# Altium PCB LimeSDR-Micro_M.2_2280_1v2.PcbDoc (part 5 of 9) (continued)
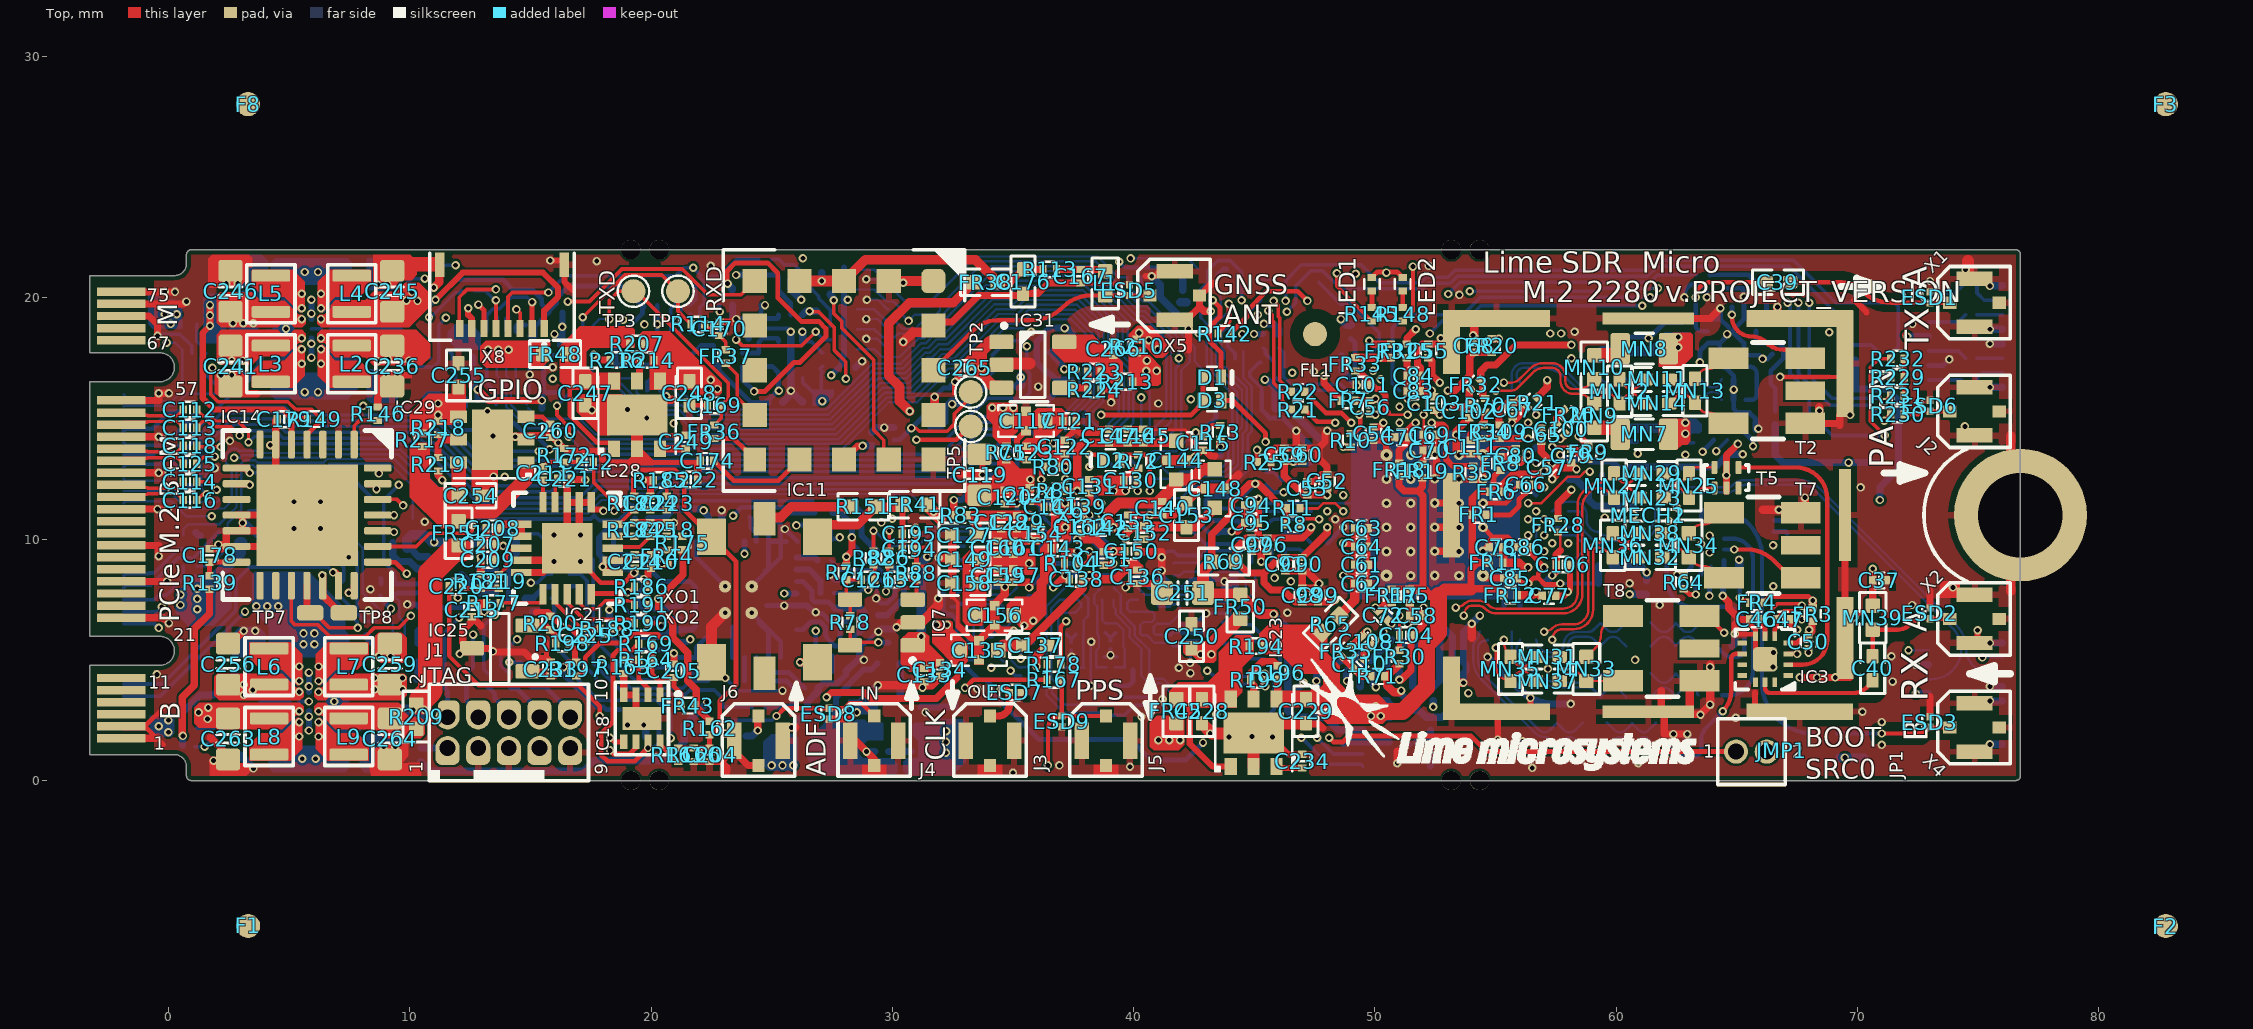
[diagram p0: Top view]
## Nets (pads, with @x,y where several pads share a name; then routed paths per layer and width w, separated by ;. In a path a pad name is that pad's centre, name@x,y a point inside that pad or via, vN(x,y) a via of type N, cw(c..) or ccw(c..) an arc to the next point about the centre after c; other vN are vias at no path point) (continued)
  Bottom w0.2: IC8.12@14.4,18.6 14.4,18.825 14.45,18.875 v2(14.8,18.875)
LA_SPI_MOSI_LS: IC6.R9 IC8.1 R127.2 R136.1 | length 33.4
  Bottom w0.1: IC8.1@14.4,17.1 14.4,16.033 R127.2@14.85,15.583 ; R127.2@14.92,15.425 15.345,15 17.041,15 17.691,14.35 27.681,14.35 29.606,16.275 30.78,16.275 31.63,17.125 31.804,17.125 32.154,17.475 32.529,17.475 34.389,19.335 35.176,19.335 35.367,19.525 35.372,19.525 35.562,19.715 37.658,19.715 38.75,18.623 38.75,17.2 39.066,16.884 R136.1@39.066,16.605 39.041,16.605 38.941,16.505 38.941,16.48 38.741,16.28 38.741,15.716 38.25,15.225 38.25,14.917 IC6.R9@38.667,14.5
LA_SPI_SCLK: IC8.10 R20.2 R188.2 | length 61.9
  Top w0.3: R188.2@18.45,6.3 R188.2@18.45,6.325 ; R188.2@18.5,6.275 18.6,6.275 v1(18.75,6.125)
  L6 w0.1: v2(13.6,19.2) 13.925,18.875 14.34,18.875 15.075,18.14 15.075,17.41 13.59,15.925 13.375,15.925 12.7,15.25 12.7,14.74 12.435,14.475 11.825,14.475 11.575,14.225 10.975,14.225 9.15,12.4 9.15,11.409 8.975,11.234 8.975,9.715 9.19,9.5 10.324,9.5 11.675,8.149 11.675,6.6 11.85,6.425 12.792,6.425 12.867,6.35 13.825,6.35 13.925,6.45 15.915,6.45 16.165,6.7 16.792,6.7 17.192,6.3 18.575,6.3 v1(18.75,6.125) ; 15.075,18.15 16.265,18.15 16.678,17.737 17.012,17.737 17.325,18.05 19.2,18.05 19.463,17.787 22.988,17.787 23.35,17.425 28.287,17.425 28.637,17.775 29.158,17.775 29.45,18.067 29.45,18.617 30.3,19.467 30.408,19.575 30.833,19.575 31.42,20.162 31.908,20.162 32.645,19.425 35.45,19.425 36.193,18.682 36.193,18.382 36.775,17.8 37.55,17.8 38.628,18.878 40.714,18.878 41.667,17.925 42.85,17.925 43.425,18.5 43.642,18.5 43.967,18.825 44.667,18.825 v1(44.987,18.505)
  Bottom w0.2: IC8.10@13.6,18.6 v2(13.6,19.2)
  Bottom w0.25: v1(44.987,18.505) R20.2@45.366,18.505
LA_SPI_SCLK_LS: IC6.P8 IC8.3 | length 34.2
  Bottom w0.1: IC8.3@13.6,17.05 13.6,16.8 14,16.4 14,15.485 14.885,14.6 16.875,14.6 17.525,13.95 27.847,13.95 29.772,15.875 30.946,15.875 31.796,16.725 31.97,16.725 32.32,17.075 32.695,17.075 34.555,18.935 35.342,18.935 35.533,19.125 35.538,19.125 35.728,19.315 37.492,19.315 38.341,18.466 38.341,17.158 38.341,15.881 37.691,15.231 37.691,14.476 IC6.P8@38.167,14
LA_TCK: IC6.N10 R89.2 R92.1 | length 49.8
  L6 w0.1: v2(12.265,15.525) 11.975,15.235 11.975,14.925 11.475,14.425 10.892,14.425 8.95,12.483 8.95,11.492 8.775,11.317 8.775,9.633 9.108,9.3 10.241,9.3 11.475,8.066 11.475,6.517 11.767,6.225 12.45,6.225 v1(12.625,6.05) 14.19,6.05 14.315,6.175 15.108,6.175 15.333,5.95 16.617,5.95 16.767,6.1 18.315,6.1 19.465,4.95 21.917,4.95 22.192,5.225 27.733,5.225 29.258,6.75 29.742,6.75 29.892,6.9 30.516,6.9 31.375,7.759 31.375,7.767 32.083,8.475 33.017,8.475 33.675,9.133 33.675,12.133 34.4,12.858 34.4,13.425 34.6,13.625 34.6,13.875 35.021,14.296 35.539,14.296 35.742,14.5 37.633,14.5 38.108,14.025 38.642,14.025 v2(39.167,13.5)
  Bottom w0.15: R92.1@12.35,4.43 12.625,4.705 v1(12.625,6.05)
  Bottom w0.3: v2(12.265,15.525) 12.27,15.53 R89.2@12.27,15.8
LA_TDI: IC6.M10 R94.1 | length 34.2
  L6 w0.1: v1(14.45,5.85) 15.15,5.85 15.25,5.75 16.7,5.75 16.85,5.9 18.233,5.9 19.383,4.75 22,4.75 22.225,4.975 25.617,4.975 26.017,4.575 26.33,4.575 26.78,5.025 27.815,5.025 29.34,6.55 29.825,6.55 29.975,6.7 30.599,6.7 31.575,7.676 31.575,7.685 32.165,8.275 33.1,8.275 33.875,9.05 33.875,12.05 34.6,12.775 34.6,13.325 34.842,13.567 34.842,13.817 35.121,14.096 35.621,14.096 35.825,14.3 37.55,14.3 38.025,13.825 38.342,13.825 v2(38.667,13.5)
  Bottom w0.15: R94.1@14.15,4.43 14.1,4.43 13.775,4.755 13.775,5.18 v1@14.447,5.853 ; v2(38.667,13.5) IC6.M10@39.167,13
LA_TDO: IC6.N12 R93.1 | length 37.5
  L6 w0.1: v1(13.525,6.875) 14.6,6.875 15.075,7.35 16.775,7.35 17.425,6.7 19.025,6.7 19.925,5.8 21.167,5.8 21.442,5.525 21.926,5.525 22.026,5.625 27.55,5.625 29.075,7.15 29.576,7.15 29.726,7.3 30.35,7.3 30.975,7.925 30.975,7.933 31.917,8.875 32.851,8.875 33.275,9.299 33.275,10.683 33.125,10.833 33.125,12.8 33.216,12.891 33.216,12.892 33.523,13.2 33.525,13.2 33.675,13.35 33.675,14.075 34.3,14.7 35.341,14.7 35.541,14.9 37.799,14.9 38.274,14.425 39.242,14.425 v2(40.167,13.5)
  Bottom w0.15: R93.1@13.25,4.43 13.075,4.605 13.075,6.425 v1(13.525,6.875)
LA_TMS: IC6.M12 R91.1 | length 38.8
  L6 w0.1: v1(12.05,6.75) 12.75,6.75 12.95,6.55 13.742,6.55 13.842,6.65 15.833,6.65 16.083,6.9 16.875,6.9 17.275,6.5 18.942,6.5 19.842,5.6 21.085,5.6 21.36,5.325 21.844,5.325 22.009,5.325 22.109,5.425 27.633,5.425 29.158,6.95 29.659,6.95 29.809,7.1 30.433,7.1 31.175,7.842 31.175,7.85 32,8.675 32.934,8.675 33.475,9.216 33.475,10.766 33.325,10.916 33.325,12.717 33.416,12.808 33.416,12.81 33.606,13 33.608,13 33.875,13.267 33.875,13.992 34.383,14.5 35.424,14.5 35.624,14.7 37.716,14.7 38.191,14.225 38.901,14.225 39.626,13.5 v2(39.667,13.5)
  Bottom w0.15: R91.1@11.45,4.43 11.45,6.15 v1(12.05,6.75) ; v2(39.667,13.5) IC6.M12@40.167,13
LA_TRST: C115.1 D2.C IC6.N8 R73.2 | length 6.6
  Top w0.2: v1(38.167,13.5) 38.575,13.5 38.675,13.4 D2.C@38.675,13.275 ; v1(42.575,14.425) 42.975,14.425 43.265,14.715 R73.2@43.596,14.715
  L4 w0.15: v1(38.167,13.5) 41.65,13.5 v1(42.575,14.425)
LA_TRX1: IC8.9 R59.2 X8.2 | length 54.1
  Top w0.2: X8.2@15.075,18.725 15.075,19.775 v1@15.125,19.825
  L3 w0.1: v1(15.075,19.825) 15.525,19.375 16.89,19.375 17.19,19.675 20.792,19.675 21.542,20.425 22.525,20.425 23.375,21.275 23.917,21.275 24.092,21.1 30.475,21.1 31.05,20.525 47.7,20.525 47.8,20.425 49.225,20.425 49.488,20.162 v1(53.037,20.162)
  Bottom w0.15: IC8.9@13.2,18.6 13.2,19.295 13.455,19.55 13.72,19.55 14.195,20.025 14.875,20.025 v1(15.075,19.825) ; v1(53.037,20.162) 53.525,20.65 61.407,20.65 61.712,20.955 R59.2@63.32,20.955
LA_TX_I_N: C2.1 C3.1 IC6.B7 R4.1 R5.2 | length 4
  Bottom w0.1: C2.1@37.581,4.7 37.606,4.675 R5.2@37.941,4.675 ; IC6.B7@37.667,8 38.116,7.551 38.116,6.825 37.931,6.64 R4.1@37.931,6.05 37.916,6.035 37.916,4.7 R5.2@37.941,4.675 ; R5.2@37.956,4.675 R5.2@37.941,4.675
LA_TX_I_P: C1.2 C2.2 IC6.A7 R1.2 R2.1 | length 4
  Bottom w0.1: C2.2@37.251,4.7 37.226,4.675 R1.2@36.876,4.675 36.901,4.7 R2.1@36.901,6.05 36.875,6.076 36.875,6.775 37.05,6.95 37.575,6.95 37.825,7.2 37.825,7.342 IC6.A7@37.667,7.5
LA_TX_Q_N: C5.1 C6.1 IC6.B9 R18.1 R19.2 | length 4
  Bottom w0.1: IC6.B9@38.667,8 38.367,7.7 38.367,7.349 38.501,7.215 R18.1@38.501,6.125 38.501,6.075 38.526,6.05 38.526,5.985 38.566,5.945 38.566,5.525 38.451,5.41 C6.1@38.451,5.125 38.451,4.7 38.476,4.675 R19.2@38.501,4.675 38.526,4.7 C5.1@38.876,4.7
LA_TX_Q_P: C4.2 C5.2 IC6.A9 R14.2 R16.1 | length 3.9
  Bottom w0.1: IC6.A9@38.667,7.5 38.701,7.466 38.701,6.64 38.816,6.525 39.291,6.525 39.581,6.235 R16.1@39.581,6.125 39.581,5.535 39.631,5.485 C4.2@39.631,5.125 39.631,4.7 39.606,4.675 R14.2@39.581,4.675 39.556,4.7 C5.2@39.206,4.7
LMK_CLKOUT1: ESD7.1 IC16.3 J3.1 | length 25.3
  Top w0.3: J3.1@34.05,2.675 34.388,2.675 ccw(c34.388,3.137) 34.85,3.137 ESD7.1@34.85,3.65 34.845,3.65 34.705,3.79 34.51,3.79 v1(34.5,3.8)
  L6 w0.1: v2(21.105,4.18) 21.996,4.18 22.391,4.575 25.452,4.575 25.877,4.15 26.471,4.15 26.946,4.625 32.75,4.625 33.175,4.2 34.1,4.2 v1(34.5,3.8)
  Bottom w0.15: v2(21.105,4.18) 19.32,4.18 17.9,5.6 17.9,7.195 18.13,7.425 18.625,7.425 19.3,6.75 IC16.3@21.225,6.75
LMK_CLKOUT7: IC16.20 IC17.3 R158.1 | length 4.9
  L6 w0.1: v1(25.525,7.75) 27.85,10.075 v1@27.875,10.075
  Bottom w0.15: IC17.3@27.45,10.512 IC17.3@27.525,10.587
  Bottom w0.2: R158.1@27.45,9.942 R158.1@27.45,9.967 ; IC17.3@27.45,10.512 R158.1@27.45,9.967 ; v1@27.776,10.017 27.5,10.017 R158.1@27.45,9.967 ; v1@27.834,10.075 v1@27.875,10.075
  Bottom w0.25: v1(25.525,7.75) IC16.20@26.025,7.75
  other v1: 27.825,10.075
LMS_ADCIN_I1_N: IC1.U5 R34.2 | length 40.2
  L3 w0.1: v1@35.325,5.075 v1(35.325,5.05) 35.325,4.575 36.525,3.375 40.575,3.375 41.6,2.35 49.375,2.35 49.65,2.075 52.575,2.075 53.875,3.375 v1(53.875,3.625)
  L4 w0.1: v1(53.875,3.625) 54.275,4.025 55.025,4.025 56.591,5.591 56.591,6.206 56.96,6.575 58.2,6.575 60.575,8.95 60.575,9.25 61.841,10.516 61.841,10.91 62.248,11.317 62.492,11.317 v1(62.5,11.325)
  L6 w0.1: v1(56.678,11.162) 58.137,11.162 58.95,11.975 61.274,11.975 61.924,11.325 v1(62.5,11.325)
  Bottom w0.15: v1(35.325,5.05) R34.2@35.325,5.41
LMS_ADCIN_I1_P: IC1.V4 R28.2 | length 39.8
  L3 w0.1: v1(34.9,4.55) 34.9,5.085 35.19,5.375 35.495,5.375 35.65,5.22 35.65,4.533 36.583,3.6 40.75,3.6 41.075,3.925 42.35,3.925 42.675,4.25 42.675,4.635 42.915,4.875 43.45,4.875 43.7,5.125 43.7,5.65 43.9,5.85 44.825,5.85 45.025,5.65 45.025,5.3 44.7,4.975 44.7,3.575 44.9,3.375 48.65,3.375 49.362,4.088 49.362,4.613 49.55,4.8 51.925,4.8 52.35,5.225 52.35,5.925 52.1,6.175 52.1,6.65 52.35,6.9 52.35,7.658 52.875,8.183 52.875,8.758 53.242,9.125 55.467,9.125 55.85,9.508 55.85,9.75 55.375,10.225 55.375,11 55.775,11.4 55.775,11.9 55.375,12.3 55.375,12.625 55.925,13.175 56.204,13.175 56.675,12.704 56.675,12.45 56.4,12.175 56.4,11.9 57.003,11.297 57.003,10.837 v1(57.011,10.829)
  Bottom w0.15: v1(34.9,4.55) 35.115,4.335 R28.2@35.325,4.335
LMS_ADCIN_I2_N: IC1.V6 R49.2 | length 31
  L3 w0.1: v1(43.05,4.55) 43.05,4.541 42.875,4.366 42.875,4 43.075,3.8 43.475,3.8 43.9,4.225 44.167,4.225 44.441,3.951 44.441,3.741 44.2,3.5 44.2,3.258 44.658,2.8 44.975,2.8 45.35,3.175 45.65,3.175 46.025,2.8 46.325,2.8 46.675,3.15 47.05,3.15 47.4,2.8 47.763,2.8 48.012,3.05 48.238,3.05 48.488,2.8 48.85,2.8 49,2.95 49,3.35 49.15,3.5 50.375,3.5 50.525,3.35 50.525,3.025 50.7,2.85 51.008,2.85 51.333,2.85 51.583,2.6 52.5,2.6 52.9,3 52.9,3.275 52.7,3.475 51.775,3.475 51.45,3.8 51.45,4.325 51.675,4.55 52,4.55 52.625,5.175 53.033,5.175 53.433,4.775 53.742,4.775 53.975,5.008 53.975,5.492 53.717,5.75 53.117,5.75 52.867,5.75 52.575,6.042 52.575,7.6 53.075,8.1 53.075,8.675 53.325,8.925 55.425,8.925 55.55,8.925 56.15,9.525 56.15,9.825 55.95,10.025 55.95,10.256 55.725,10.481 55.725,10.925 55.9,11.1 56.074,11.1 v1(56.345,10.829)
  Bottom w0.15: v1(43.05,4.55) 43.095,4.55 43.282,4.362 43.282,4.36 R49.2@43.315,4.36
LMS_ADCIN_I2_P: IC1.AA1 R44.2 | length 31.3
  L3 w0.1: v1(43.425,2.75) 43.225,2.55 41.775,2.55 41.575,2.75 41.575,3.3 41.875,3.6 42.3,3.6 42.525,3.375 42.925,3.375 43.15,3.6 43.575,3.6 44.6,2.575 49.433,2.575 49.733,2.275 50.325,2.275 50.7,2.65 51.25,2.65 51.5,2.4 52.583,2.4 53.1,2.917 53.1,3.358 52.783,3.675 51.858,3.675 51.65,3.883 51.65,4.242 51.758,4.35 52.083,4.35 52.708,4.975 52.95,4.975 53.35,4.575 53.825,4.575 54.175,4.925 54.175,5.575 53.8,5.95 52.95,5.95 52.775,6.125 52.775,7.517 53.348,8.09 54.646,8.09 54.88,8.324 54.88,8.33 55.275,8.725 55.65,8.725 56.081,9.156 57.336,9.156 v1(58.01,9.83)
  Bottom w0.15: R44.2@43.315,3.15 43.425,3.04 v1(43.425,2.75)
LMS_ADCIN_Q1_N: IC1.W3 R42.2 | length 40.6
  L6 w0.1: v2(39.475,2.295) 39.475,2.525 39.15,2.85 35,2.85 34.675,2.525 34.675,2.025 35.05,1.65 40.1,1.65 40.745,2.295 42.145,2.295 43.125,3.275 43.783,3.275 44.108,2.95 45.617,2.95 45.992,3.325 46.267,3.6 48.358,3.6 48.633,3.325 49.833,2.125 53.784,2.125 55.684,4.025 57.042,4.025 58.675,5.658 58.675,6.608 58.675,6.858 59.3,7.483 59.3,9.025 59.125,9.2 58.791,9.2 58.663,9.072 58.663,8.888 v2(58.625,8.85)
  Bottom w0.1: IC1.W3@57.352,10.504 IC1.W3@57.344,10.496 58.232,10.496 58.825,9.903 58.825,9.05 v2(58.625,8.85)
LMS_ADCIN_Q1_P: IC1.Y2 R37.2 | length 40.7
  L6 w0.1: v2(39.475,3.05) 39.003,3.05 34.917,3.05 34.475,2.608 34.475,1.942 34.967,1.45 35.25,1.45 40.183,1.45 40.828,2.095 42.228,2.095 43.208,3.075 43.7,3.075 44.025,2.75 45.7,2.75 46.35,3.4 48.275,3.4 49.75,1.925 53.867,1.925 55.767,3.825 57.125,3.825 58.875,5.575 58.875,6.775 59.5,7.4 59.5,9.108 59.208,9.4 58.709,9.4 58.572,9.263 58.388,9.263 v2(58.35,9.225)
  Bottom w0.1: IC1.Y2@57.75,10.193 cw(c57.677,10.266) IC1.Y2@57.677,10.163 58.282,10.163 58.625,9.82 58.625,9.5 v2(58.35,9.225)
LMS_ADCIN_Q2_N: IC1.Y4 R58.2 | length 33.2
  L6 w0.1: v2(45.475,2.325) 45.675,2.125 46.3,2.125 46.875,2.7 48.374,2.7 49.574,1.5 54.133,1.5 55.533,2.9 57.158,2.9 59.55,5.292 59.55,5.375 59.55,6.467 60.2,7.117 60.2,8.917 61.4,10.117 61.4,11.233 61.058,11.575 59.317,11.575 58.246,10.504 57.352,10.504 v1(57.011,10.163)
  Bottom w0.15: R58.2@43.701,5.345 43.733,5.345 43.733,5.313 43.996,5.05 45.4,5.05 45.816,4.634 45.816,2.941 45.475,2.6 v2(45.475,2.325)
LMS_ADCIN_Q2_P: IC1.AA3 R51.2 | length 32.6
  L6 w0.1: v2(46.066,2.45) 46.516,2.9 48.457,2.9 49.657,1.7 54.05,1.7 55.45,3.1 57.075,3.1 59.35,5.375 59.35,6.55 60,7.2 60,9 61.2,10.2 61.2,11.15 60.975,11.375 59.4,11.375 58.329,10.304 57.504,10.304 57.344,10.144 v1(57.344,9.83)
  Bottom w0.15: R51.2@43.676,6.555 43.954,6.555 44.059,6.45 44.9,6.45 46.066,5.284 v2(46.066,2.45)
LMS_CORE_LDO_EN: IC1.U33 R13.1 R15.2 | length 3.9
  Bottom w0.15: R15.2@43.491,11.275 44.361,11.275 44.366,11.27 44.474,11.162 46.859,11.162 46.876,11.179 47.337,11.179 IC1.U33@47.354,11.162
LMS_I2C_SCL: IC1.C27 IC2.6 R26.2 R54.1 | length 65.2
  L4 w0.1: v1(45.841,8.4) 45.849,8.4 46.024,8.575 46.65,8.575 47.025,8.2 47.025,4.6 46.72,4.295 46.72,2.655 v1(47.6,1.775)
  L6 w0.1: v2(8.825,8.15) 8.812,8.137 8.812,7.903 8.51,7.6 8.39,7.6 7.975,7.185 7.975,6.7 8.525,6.15 8.975,6.15 11.5,3.625 16.766,3.625 17.3,3.091 17.3,2.508 17.683,2.125 18.41,2.125 18.56,1.975 19.886,1.975 19.995,2.085 22.465,2.085 23.125,1.425 26.35,1.425 27.225,2.3 31.858,2.3 32.008,2.45 32.392,2.45 33.842,1 42.814,1 42.989,0.825 46.46,0.825 47.375,1.74 47.565,1.74 v1(47.6,1.775) ; v1(45.841,8.4) 45.841,10.325 47.191,11.675 47.191,12.15 48.016,12.975 48.016,13.875 48.678,14.537 48.678,15.15 v2(49.352,15.824)
  Bottom w0.15: v1(47.6,1.775) 48.275,1.1 IC2.6@49.5,1.1
  Bottom w0.2: R26.2@8.795,8.375 8.81,8.36 8.81,8.165 v2(8.825,8.15)
LMS_I2C_SDA: IC1.D26 IC2.5 R30.2 R53.1 | length 62.7
  L4 w0.1: v1(46.516,8.25) 46.825,7.941 46.825,4.683 46.52,4.378 46.52,2.215 v1(46.955,1.78)
  L6 w0.1: v1(9.225,7.125) 9.85,6.5 9.85,6.275 12,4.125 16.858,4.125 16.983,4.25 17.86,4.25 18.05,4.06 18.05,3.425 17.55,2.925 17.55,2.54 17.765,2.325 18.59,2.325 18.89,2.625 19.992,2.625 20.333,2.285 23.69,2.285 24.35,1.625 26.267,1.625 27.142,2.5 31.775,2.5 31.925,2.65 32.475,2.65 33.925,1.2 42.896,1.2 43.071,1.025 46.2,1.025 v1(46.955,1.78) ; v1(46.516,8.25) 46.516,10.317 47.691,11.492 47.691,11.958 49.685,13.953 v2(49.685,15.491)
  Bottom w0.15: v1(46.955,1.78) 48.06,0.675 49.425,0.675 IC2.5@49.5,0.6
  Bottom w0.2: R30.2@8.795,7.65 8.795,7.555 v1(9.225,7.125)
LMS_MCLK1: IC1.AB34 R7.1 R84.1 | length 1.5
  Bottom w0.15: R7.1@46.166,9.74 46.166,9.691 46.28,9.577 ; R84.1@46.28,9.025 46.28,9.577 ; IC1.AB34@47.021,9.497 46.967,9.497 46.887,9.577 46.28,9.577
LMS_RESET: IC1.E27 IC14.17 R10.1 | length 57.4
  Top w0.15: IC14.17@5.1,8.075 5.1,6.6 5.25,6.45 6.2,6.45 6.675,5.975 8.175,5.975 8.525,6.325 9.55,6.325 v1(10.05,6.825)
  Top w0.2: R10.1@48.991,14.38 49.041,14.43 49.171,14.43 49.394,14.653 v1@49.394,15.01
  L6 w0.1: v1(10.05,6.825) 10.05,6.358 12.083,4.325 16.775,4.325 16.925,4.475 18.125,4.475 19.425,3.175 20.067,3.175 20.551,2.691 24.268,2.691 25.135,1.825 26.184,1.825 27.059,2.7 27.5,2.7 28.05,3.25 35.4,3.25 36.875,4.725 39.025,4.725 39.8,5.5 40.441,5.5 41.716,6.775 42.39,6.775 43.465,7.85 44.741,7.85 44.966,8.075 45.975,8.075 46.191,8.29 46.191,10.275 47.491,11.575 47.491,12.041 49.352,13.903 v1(49.352,15.158)
LMS_RX1_BB_I_N: IC1.AB2 R27.2 R31.1 R34.1 | length 44.1
  L4 w0.1: v1(57.716,18.525) 57.716,17.383 58.091,17.008 58.091,15.085 58.766,14.41 58.766,13.839 57.966,13.039 57.966,12.366 57.816,12.216 57.816,11.884 58.8,10.9 v1(59.525,10.9)
  L6 w0.1: v2(36.066,5.75) 36.304,5.75 36.779,6.225 37.3,6.225 37.45,6.375 40.15,6.375 42.95,9.175 42.95,9.916 43.1,10.066 43.1,11.975 44.45,13.325 44.45,14.267 45.458,15.275 45.742,15.275 46.925,16.458 46.925,17.225 48.175,18.475 48.416,18.475 48.486,18.545 ; 48.486,18.546 49.29,19.35 50.48,19.35 51.85,17.98 54.105,17.98 54.466,18.34 54.466,18.575 54.741,18.85 57.416,18.85 v1@57.716,18.55 ; v2(57.677,9.497) 57.685,9.505 58.145,9.505 59.525,10.885 v1(59.525,10.9)
  Bottom w0.1: R27.2@34.921,5.5 35.161,5.74 R34.1@35.325,5.74 35.357,5.74 35.407,5.69 R31.1@35.856,5.69
LMS_RX1_BB_I_P: IC1.Y6 R28.1 R31.2 R33.2 | length 44.1
  L4 w0.1: v1(56.345,10.163) 56.02,10.488 56.02,11.63 56.216,11.825 57.142,11.825 57.741,12.424 57.741,13.097 58.066,13.422 58.066,14.799 57.891,14.974 57.891,16.925 56.916,17.9 56.916,18.175 v1(57.266,18.525)
  L6 w0.1: v2(36.066,5.275) 36.112,5.275 36.862,6.025 37.383,6.025 37.533,6.175 40.233,6.175 43.15,9.092 43.15,9.833 43.3,9.983 43.3,11.892 44.65,13.242 44.65,14.184 45.541,15.075 45.825,15.075 47.125,16.375 47.125,17.142 48.258,18.275 48.499,18.275 48.686,18.462 ; 48.686,18.463 49.373,19.15 50.397,19.15 51.767,17.78 54.371,17.78 54.666,18.075 54.666,18.492 54.824,18.65 55.403,18.65 55.603,18.45 55.603,18.013 55.716,17.9 56.216,17.9 56.361,18.046 56.361,18.45 56.561,18.65 57.141,18.65 v1(57.266,18.525)
  Bottom w0.1: R33.2@34.94,4.969 35.22,4.69 35.3,4.69 R28.1@35.325,4.665 35.35,4.69 35.565,4.69 35.65,4.775 35.65,5.154 R31.2@35.856,5.36 35.881,5.335 35.938,5.335 35.998,5.275 v2(36.066,5.275)
LMS_RX1_BB_Q_N: IC1.AA5 R36.2 R39.1 R42.1 | length 43.9
  L6 w0.1: v2(40.691,3.025) 40.325,3.391 40.325,3.942 41.033,4.65 41.408,4.65 41.775,4.283 41.775,2.958 41.933,2.8 42.067,2.8 42.3,3.033 42.3,3.708 42.3,3.942 42.558,4.2 43.442,4.2 43.7,4.458 43.7,4.5 43.7,5.958 44.467,6.725 44.716,6.725 45.45,6.725 46.275,5.9 46.65,5.9 46.775,6.025 46.775,6.783 47.057,7.065 47.893,7.065 48.15,6.808 48.15,5.775 48.3,5.625 48.975,5.625 49.125,5.775 49.125,6.483 49.4,6.758 49.4,6.992 48.85,7.542 48.7,7.692 48.7,8.008 49.367,8.675 49.708,8.675 50.983,7.4 51.283,7.4 51.9,6.783 51.9,6.25 52.1,6.05 52.4,6.05 52.575,6.225 52.575,6.492 52.375,6.692 52.375,7.725 52.275,7.825 51.225,7.825 50.93,8.12 50.93,8.795 50.8,8.925 50.217,8.925 49.925,9.217 49.925,9.783 50.272,10.13 51.651,10.13 52.096,9.685 52.096,9.313 52.329,9.08 52.588,9.08 52.911,9.403 52.911,9.76 53.256,10.105 53.776,10.105 54.096,9.785 54.096,9.305 54.306,9.095 54.596,9.095 54.886,9.385 54.886,9.71 55.266,10.09 55.266,10.617 55.449,10.8 55.871,10.8 56.175,10.496 v1(56.678,10.496)
  Bottom w0.11: IC1.AA5@56.678,9.83 v1(56.678,10.496)
  Bottom w0.15: R36.2@39.055,2.7 R42.1@39.475,2.7 39.625,2.7 40.05,3.125 R39.1@40.441,3.125 40.591,3.125 v2(40.691,3.025)
LMS_RX1_BB_Q_P: IC1.AB4 R37.1 R39.2 R41.2 | length 43.8
  L6 w0.1: v2(40.691,3.555) 40.525,3.721 40.525,3.859 41.116,4.45 41.325,4.45 41.575,4.2 41.575,3.29 41.225,2.94 41.225,2.675 41.405,2.495 42.045,2.495 42.225,2.675 42.5,2.95 42.5,3.859 42.641,4 43.525,4 43.9,4.375 43.9,4.583 43.9,5.875 44.55,6.525 45.367,6.525 45.617,6.275 46.192,5.7 46.733,5.7 46.975,5.942 46.975,6.25 46.975,6.7 47.14,6.865 47.81,6.865 47.95,6.725 47.95,5.692 48.217,5.425 49.058,5.425 49.325,5.692 49.325,6.4 49.6,6.675 49.6,7.075 48.9,7.775 48.9,7.925 49.45,8.475 49.625,8.475 50.9,7.2 51.2,7.2 51.7,6.7 51.7,6.167 52.017,5.85 52.483,5.85 52.775,6.142 52.775,6.575 52.575,6.775 52.575,7.608 52.575,7.808 52.358,8.025 52.158,8.025 51.308,8.025 51.13,8.203 51.13,8.878 50.883,9.125 50.3,9.125 50.125,9.3 50.125,9.7 50.355,9.93 51.561,9.93 51.891,9.6 51.891,9.235 52.251,8.875 52.775,8.875 53.116,9.216 53.116,9.675 53.341,9.9 53.691,9.9 53.891,9.7 53.891,9.22 54.221,8.89 54.681,8.89 55.091,9.3 55.091,9.625 55.466,10 55.466,10.491 55.575,10.6 55.788,10.6 56.02,10.368 56.02,10.028 56.211,9.838 56.67,9.838 v1(57.011,9.497)
  Bottom w0.15: R41.2@39.055,3.25 39.26,3.455 R39.2@40.441,3.455 40.591,3.455 v2(40.691,3.555)
LMS_RX2_BB_I_N: IC1.AC3 R43.2 R46.1 R49.1 | length 26.1
  L6 w0.1: v2(44.916,4.425) 44.766,4.275 44.183,4.275 43.916,4.008 43.916,3.509 44.275,3.15 45.45,3.15 46.8,4.5 51.158,4.5 51.616,4.042 51.616,2.825 52.066,2.375 53.508,2.375 56.266,5.133 56.266,6.392 57.124,7.25 58.166,7.25 58.516,7.6 58.516,8.45 58.002,8.963 58.002,8.966 57.812,9.156 57.81,9.156 57.802,9.164 v2(57.344,9.164)
  Bottom w0.15: R43.2@42.815,4.03 R49.1@43.315,4.03 43.755,4.03 44.05,4.325 R46.1@44.416,4.325 44.816,4.325 v2(44.916,4.425)
LMS_RX2_BB_I_P: IC1.AD2 R44.1 R46.2 R48.2 | length 25.9
  L6 w0.1: v2(44.916,3.895) 44.736,4.075 44.266,4.075 44.116,3.925 44.116,3.592 44.358,3.35 45.367,3.35 46.216,4.199 46.216,4.525 46.391,4.7 51.791,4.7 51.941,4.55 51.941,4.075 51.816,3.95 51.816,3.625 51.941,3.5 51.941,3.275 51.816,3.15 51.816,2.908 52.149,2.575 53.425,2.575 56.066,5.216 56.066,6.475 57.003,7.413 57.003,7.888 57.116,8 57.341,8 57.891,7.45 58.083,7.45 58.316,7.683 58.316,8.367 58.118,8.565 57.943,8.565 v2(57.677,8.831)
  Bottom w0.15: R48.2@42.815,3.48 R44.1@43.315,3.48 43.58,3.48 44.095,3.995 R46.2@44.416,3.995 44.816,3.995 v2(44.916,3.895)
LMS_RX2_BB_Q_N: IC1.AB6 R50.2 R55.1 R58.1 | length 25.8
  L6 w0.1: v2(44.591,5.76) 44.591,5.966 44.7,6.075 45.45,6.075 45.816,5.709 45.816,5.316 45.983,5.15 46.55,5.15 47.075,5.675 47.283,5.675 47.633,5.675 48.133,5.175 51.492,5.175 51.942,5.625 52.658,5.625 52.708,5.575 53.458,4.825 53.725,4.825 54.125,5.225 54.125,5.517 52.83,6.812 52.823,6.819 52.823,8.348 52.93,8.455 52.93,8.718 53.252,9.04 53.788,9.04 54.08,8.748 54.08,8.324 54.355,8.05 54.774,8.05 55.041,7.783 55.041,6.875 55.216,6.7 55.691,6.7 55.966,6.975 55.966,7.75 55.091,8.625 55.091,8.983 55.605,9.497 v2(56.345,9.497)
  Bottom w0.15: R50.2@43.281,5.675 R58.1@43.701,5.675 43.931,5.675 44.041,5.785 R55.1@44.316,5.785 v2@44.591,5.785
LMS_RX2_BB_Q_P: IC1.AC5 R51.1 R55.2 R57.2 | length 25.9
  L6 w0.1: v2(45.091,5.75) 45.475,5.75 45.6,5.625 45.6,5.25 45.9,4.95 46.4,4.95 46.633,4.95 47.158,5.475 47.55,5.475 48.05,4.975 51.575,4.975 52.025,5.425 52.575,5.425 52.925,5.075 53.375,4.625 53.808,4.625 54.325,5.142 54.325,5.6 53.825,6.1 53.023,6.902 53.023,8.265 53.13,8.372 53.13,8.635 53.335,8.84 53.625,8.84 53.88,8.585 53.88,8.241 54.272,7.85 54.691,7.85 54.841,7.7 54.841,6.792 55.133,6.5 55.774,6.5 56.166,6.892 56.166,7.833 55.291,8.708 55.291,8.9 55.555,9.164 v2(56.678,9.164)
  Bottom w0.15: R57.2@43.281,6.225 R51.1@43.676,6.225 43.931,6.225 44.041,6.115 R55.2@44.316,6.115 44.731,6.115 45.091,5.755 v2(45.091,5.75)
LMS_RXEN: IC1.V34 R12.1 | length 1.5
  Bottom w0.15: R12.1@45.621,10.675 45.621,10.7 45.696,10.775 45.73,10.775 45.784,10.829 IC1.V34@47.021,10.829
LMS_RxPLL_CLK: C197.2 IC1.AM24 R154.2 | length 25.6
  L3 w0.1: v1(29,7.9) 29,7.45 ccw(c29.225,7.45) 29.225,7.225 29.935,7.225 ccw(c29.935,9.615) 31.625,7.925 cw(c32.772,6.778) 32.772,8.4 36.529,8.4 cw(c36.529,7.729) 37.004,8.204 ccw(c37.495,8.695) 37.495,8 38.798,8 cw(c38.798,7.573) 39.1,7.875 ccw(c39.643,8.418) 39.643,7.65 41.004,7.65 ccw(c41.004,10.357) 42.918,8.443 43.131,8.656 cw(c44.927,6.86) 44.927,9.4 46.048,9.4 cw(c46.048,6.86) 47.844,8.656 48.4,8.1 50.32,6.18 ccw(c50.351,6.211) v1(50.351,6.167)
  Bottom w0.15: R154.2@27.58,7.775 27.585,7.77 C197.2@28.25,7.77 28.595,7.77 28.725,7.9 v1(29,7.9)
LMS_TSTAO: IC1.B22 R230.1 | length 29.6
  Top w0.18: v1(71.11,14.91) R230.1@71.375,15.175
  L6 w0.1: v1(61.4,20.025) 62.3,19.125 62.783,19.125 64.033,17.875 65.467,17.875 65.992,18.4 66.467,18.4 67.55,19.483 v1(67.55,19.8)
  Bottom w0.15: IC1.B22@51.017,16.157 50.725,16.449 50.725,18.75 51.275,19.3 53.65,19.3 54.375,20.025 v1(61.4,20.025) ; v1(67.55,19.8) 67.55,16.871 68.871,15.55 70.47,15.55 v1(71.11,14.91)
LMS_TSTDO0: IC1.D22 R231.1 | length 28.6
  Top w0.18: v1(71.11,15.68) R231.1@71.375,15.945
  L3 w0.1: v1(51.017,15.491) 51.017,16.017 51.475,16.475 51.475,17.725 v1(52.275,18.525)
  L6 w0.1: v1(61.075,19.675) 61.825,18.925 62.7,18.925 63.95,17.675 65.55,17.675 66.075,18.2 66.675,18.2 68,19.525 v1(68,19.8)
  Bottom w0.15: v1(52.275,18.525) 52.8,19.05 53.754,19.05 54.379,19.675 v1(61.075,19.675) ; v1(68,19.8) 68,16.775 68.925,15.85 70.94,15.85 v1(71.11,15.68)
LMS_TSTDO1: IC1.F22 R232.1 | length 35.8
  Top w0.15: v1(71.125,14.3) 70.525,14.9 70.525,17.125 70.885,17.485 R232.1@71.375,17.485
  L3 w0.11: v1(51.017,14.825) 50.687,15.155 50.687,15.977 51.27,16.56 51.27,18.746 52.099,19.575 53.725,19.575 53.925,19.775 v1(53.925,20.275)
  L6 w0.1: v1(61.725,20.4) 61.725,19.983 62.383,19.325 62.866,19.325 64.116,18.075 65.384,18.075 65.909,18.6 66.384,18.6 67.1,19.316 v1(67.1,19.8)
  Bottom w0.15: v1(53.925,20.275) 59.286,20.275 59.411,20.4 v1(61.725,20.4) ; v1(67.1,19.8) 67.1,19.746 67.2,19.646 67.2,16.868 68,16.068 68,15.246 68.946,14.3 v1(71.125,14.3)
LMS_TX1_BB_I_N: IC1.R5 R5.1 | length 27.2
  L6 w0.1: v2(37.768,4.332) 37.768,3.91 38.079,3.6 38.433,3.6 38.788,3.955 39.758,3.955 41.978,6.175 43.342,6.175 44.292,7.125 44.864,7.125 45.214,7.475 47.533,7.475 48.091,8.033 48.091,8.65 48.546,9.105 49.097,9.105 49.525,9.533 49.525,10.313 49.816,10.604 49.816,10.9 50.041,11.125 51.966,11.125 52.116,10.975 52.116,10.308 52.324,10.1 52.633,10.1 52.891,10.358 52.891,10.925 53.066,11.1 53.891,11.1 54.03,10.96 54.03,10.443 54.349,10.125 54.633,10.125 54.866,10.358 54.866,11.1 55.919,12.153 v2(56.353,12.153)
  Bottom w0.2: v2(56.353,12.153) IC1.R5@56.678,11.828
LMS_TX1_BB_I_P: IC1.T4 R1.1 | length 27.3
  L6 w0.1: v2(37.063,4.332) 37.996,3.4 38.516,3.4 38.871,3.755 39.841,3.755 42.061,5.975 43.425,5.975 44.375,6.925 44.947,6.925 45.297,7.275 47.616,7.275 47.666,7.325 48.291,7.95 48.291,8.567 48.629,8.905 49.18,8.905 49.725,9.45 49.725,10.23 50.42,10.925 51.558,10.925 51.916,10.567 51.916,10.225 52.241,9.9 52.716,9.9 53.091,10.275 53.091,10.625 53.366,10.9 53.666,10.9 53.83,10.735 53.83,10.36 54.266,9.925 54.716,9.925 55.066,10.275 55.066,10.7 56.194,11.828 56.602,11.828 56.911,11.519 v2@56.988,11.519
  other v2: 57.011,11.495